# Altium PCB 10515.0462_全联供主板(2拼版)_V1.0.PcbDoc (part 16 of 18)
Units mm, origin at the board's own origin, x right, y up, seen from the top; angles counter-clockwise.
Board outline 282 x 198 mm, 2 copper layers (Top Layer, Bottom Layer); 716 components, 0 nets, 2364 pads, 1800 vias.
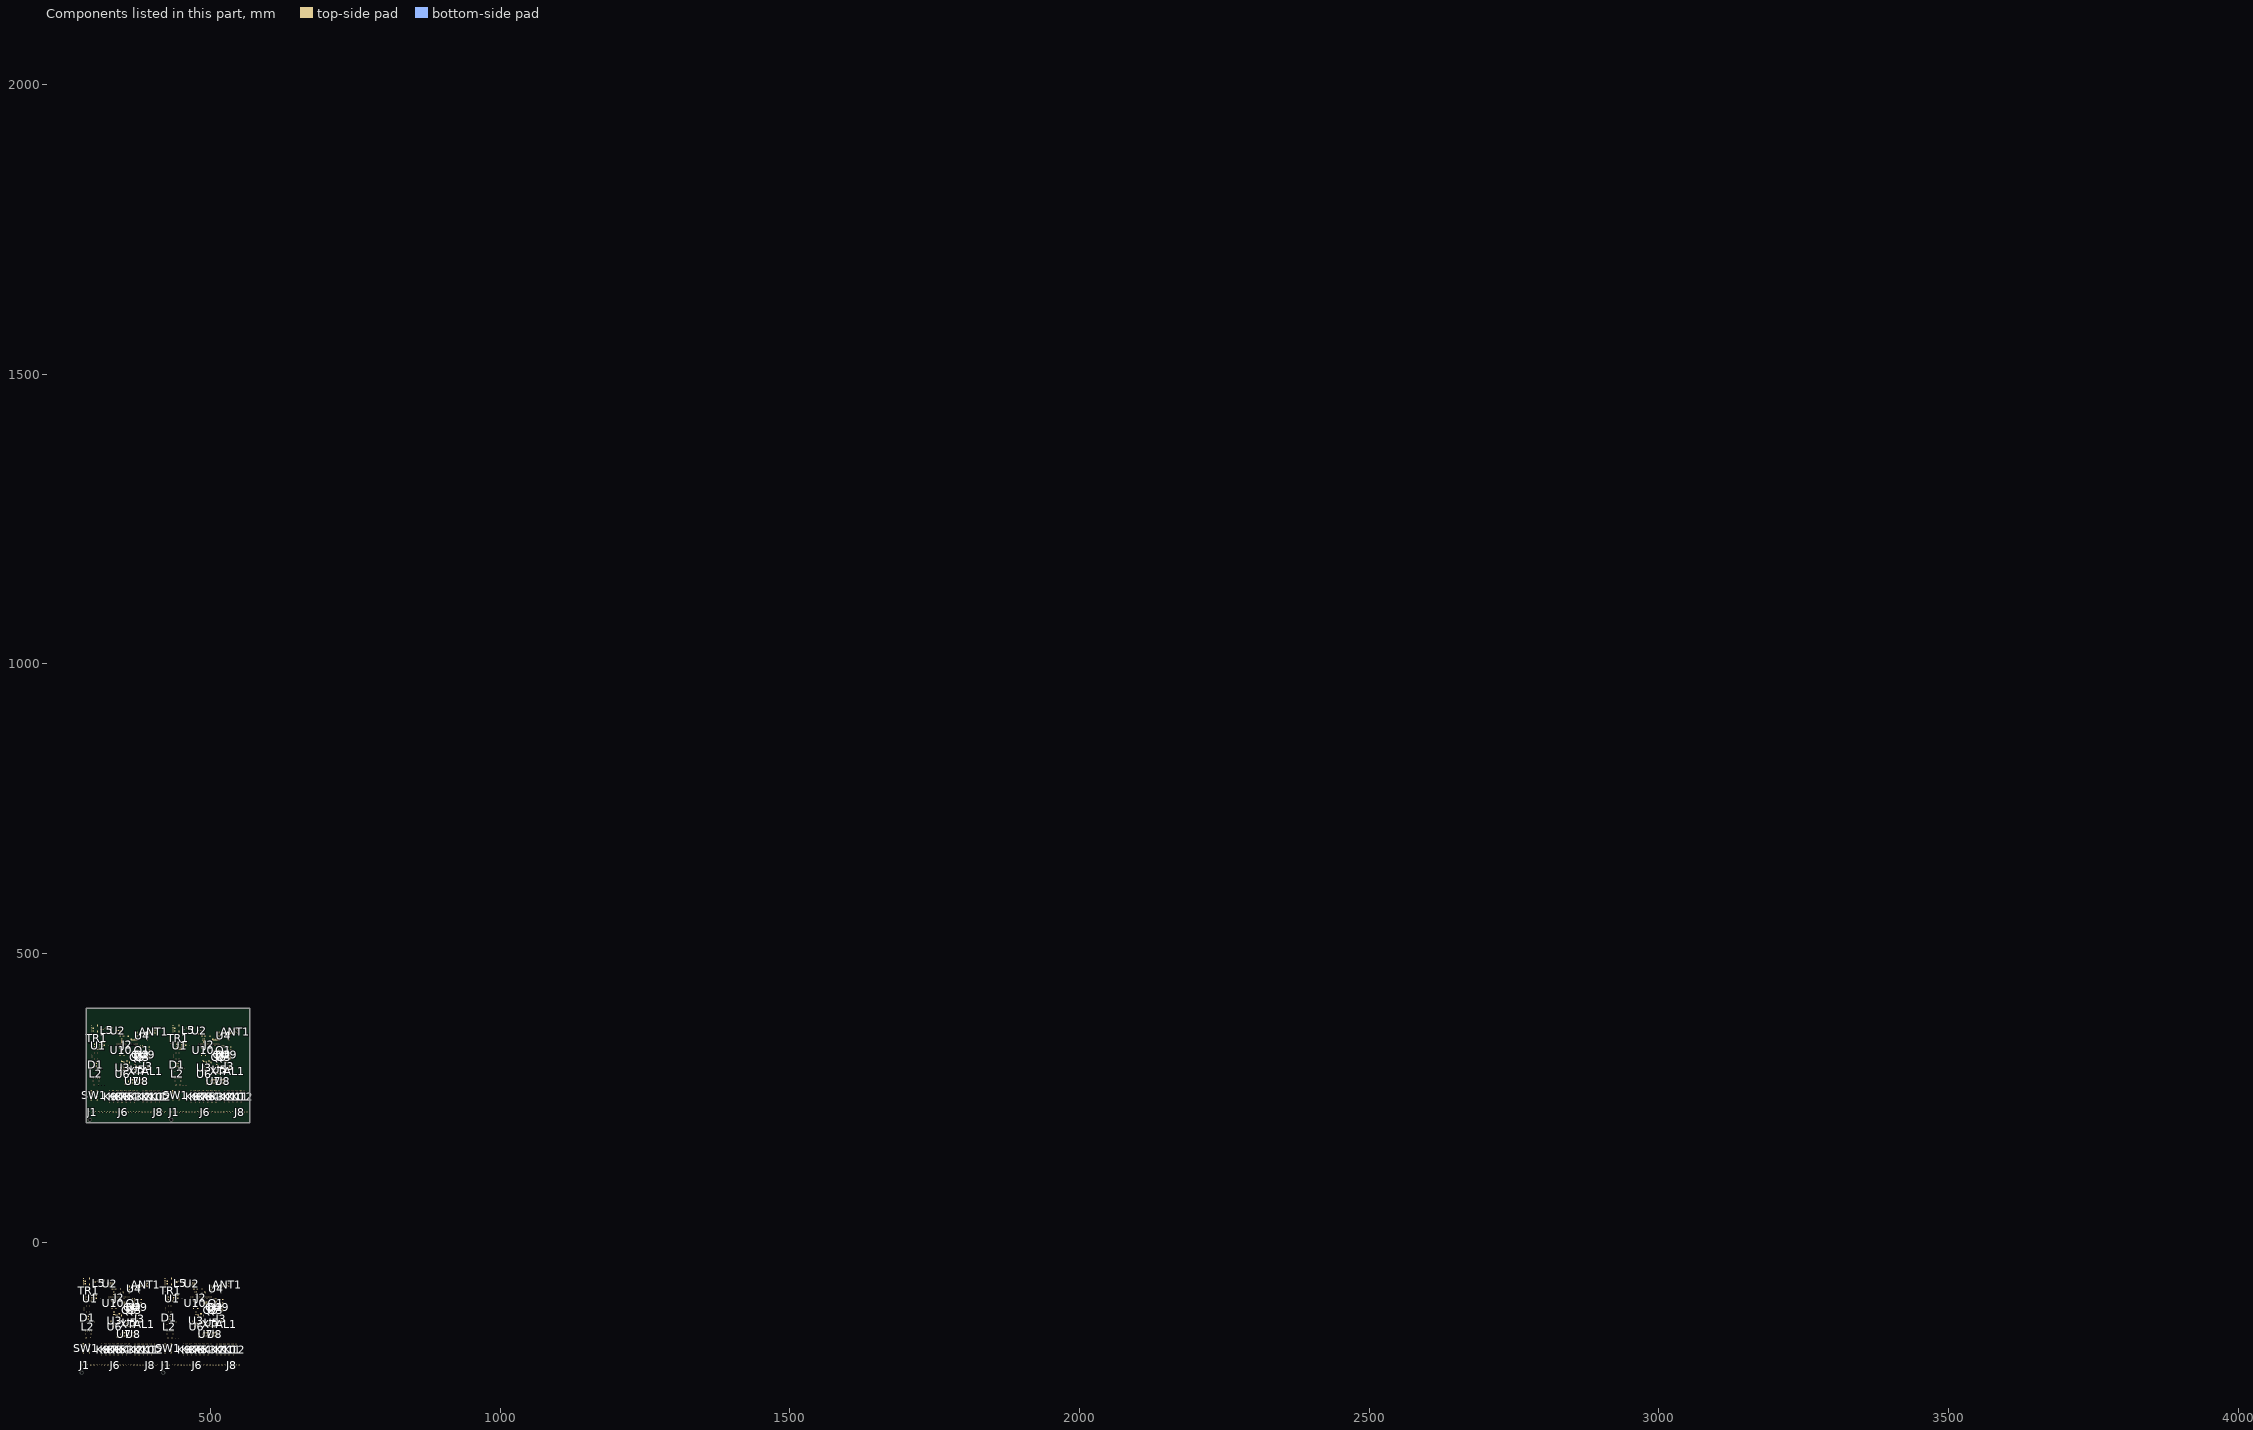
[diagram p16: the components of this part, seen from the top]

## Via types
v1: diameter 0.7, hole 0.4, Top Layer to Bottom Layer, tented both sides, 1800 vias

## Nets (pads, with @x,y where several pads share a name; then routed paths per layer and width w, separated by ;. In a path a pad name is that pad's centre, name@x,y a point inside that pad or via, vN(x,y) a via of type N, cw(c..) or ccw(c..) an arc to the next point about the centre after c; other vN are vias at no path point) (continued)
copper on no net: (continued)
  Bottom Layer w1.5: 278.999,-192.685 287.081,-200.767 287.081,-210.984 ; 278.999,-188.24 280.142,-189.383 280.142,-195.606 287.081,-202.545 ; 278.999,-187.478 278.237,-188.24 ; 280.015,-186.675 279.802,-186.675 278.237,-188.24 ; 280.142,-192.431 280.269,-192.431 287.889,-200.051 287.889,-210.592 287.497,-210.984 287.081,-210.984 ; 281.192,-115.353 283.317,-115.353 ; 281.192,-112.353 282.809,-112.353 ; v1(283.318,-126.457) 289.952,-126.487 ; 284.714,-93.244 283.605,-92.135 283.605,-89.826 285.677,-91.898 285.677,-103.531 285.677,-108.622 ; 284.714,-90.936 284.714,-107.087 285.677,-108.05 285.677,-108.622 ; 284.887,-116.924 cw(c283.101,-118.709) 285.627,-118.709 ; 285.094,-117.13 cw(c283.766,-118.457) 285.627,-118.703 ; 285.123,-110.04 ccw(c283.905,-108.822) 285.627,-108.822 ; 285.328,-107.701 cw(c284.607,-108.422) 285.627,-108.422 ; 285.677,-118.909 285.677,-116.409 284.621,-115.353 283.317,-115.353 ; 285.677,-117.628 285.592,-117.628 283.317,-115.353 ; 286.391,-200.077 286.391,-210.295 287.081,-210.984 ; 288.524,-126.487 288.524,-126.385 290.677,-124.232 ; 290.134,-176.175 291.912,-177.953 ; 290.175,-174.524 294.239,-174.524 295.382,-175.667 ; 290.261,-176.175 291.277,-177.191 ; 290.261,-175.921 294.747,-175.921 ; 290.302,-179.096 295.89,-179.096 ; 290.515,-177.191 293.985,-177.191 ; 290.642,-108.858 cw(c288.395,-111.104) 291.572,-111.104 ; 290.642,-108.387 ccw(c288.514,-106.26) 291.523,-106.26 ; 290.671,-108.373 ccw(c290.563,-107.419) 291.523,-107.419 ; 290.677,-119.66 291.826,-120.809 291.826,-124.613 289.952,-126.487 ; 290.727,-119.109 ccw(c292.177,-119.109) 291.152,-120.135 ; 290.727,-108.429 cw(c291.881,-108.583) 291.881,-107.419 291.523,-107.419 ; 290.82,-96.945 291.523,-96.243 ; 291.277,-177.953 303.383,-177.953 ; 291.572,-116.606 291.572,-109.518 292.334,-110.28 292.334,-117.252 290.677,-118.909 ; 292.605,-93.399 v1(289.059,-96.945) ; 292.605,-92.084 289.059,-95.63 v1(289.059,-96.945) ; 292.605,-89.826 292.605,-95.16 ; 292.628,243.91 300.71,235.829 300.71,225.611 ; 292.628,248.355 293.771,247.212 293.771,240.989 300.71,234.051 ; 292.628,249.117 291.866,248.355 ; 293.644,249.92 293.431,249.92 291.866,248.355 ; 293.705,-207.41 293.705,-210.24 292.961,-210.984 ; 293.771,244.164 293.898,244.164 301.518,236.544 301.518,226.003 301.125,225.611 300.71,225.611 ; 294.239,-175.921 295.382,-177.064 ; 294.477,-206.638 294.477,-204.86 ; 294.821,321.242 296.946,321.242 ; 294.821,324.242 296.438,324.242 ; 296.525,-204.59 292.961,-208.154 ; v1(296.947,310.139) 303.58,310.108 ; 297.961,-210.984 297.961,-208.394 311.671,-194.684 311.671,-193.252 ; 298.343,343.351 297.234,344.461 297.234,346.769 299.306,344.697 299.306,333.064 299.306,327.973 ; 298.343,345.66 298.343,329.508 299.306,328.546 299.306,327.973 ; 298.516,319.672 cw(c296.73,317.886) 299.256,317.886 ; 298.722,319.465 cw(c297.395,318.138) 299.256,317.893 ; 298.752,326.556 ccw(c297.534,327.773) 299.256,327.773 ; 298.957,328.894 cw(c298.236,328.173) 299.256,328.173 ; 299.306,317.686 299.306,320.186 298.25,321.242 296.946,321.242 ; 299.306,318.967 299.22,318.967 296.946,321.242 ; 300.02,236.518 300.02,226.301 300.71,225.611 ; 300.843,-79.528 302.05,-80.734 v1@303.129,-81.814 ; 300.843,-65.558 300.843,-80.925 ; 301.652,-197.685 301.652,-187.177 302.558,-186.271 ; 302.153,310.108 302.153,310.211 304.306,312.363 ; 302.211,-81.208 ccw(c303.675,-79.744) v1@303.675,-81.814 ; 302.338,-81.912 cw(c302.575,-82.149) 302.575,-81.814 ; 302.558,-195.225 303.447,-194.336 ; v1@302.667,-81.814 cw(c302.667,-82.149) v1@302.904,-81.912 ; 302.986,-196.351 302.558,-195.923 302.558,-186.271 ; 303.383,-178.588 303.383,-177.953 ; 303.453,-82.138 ccw(c303.637,-81.953) 303.637,-82.214 302.132,-82.214 300.843,-80.925 ; 303.763,260.42 305.541,258.642 ; 303.804,262.071 307.868,262.071 309.011,260.928 ; 303.89,260.42 304.906,259.404 ; 303.89,260.674 308.376,260.674 ; 303.931,257.499 309.519,257.499 ; v1@304.018,-81.814 301.732,-81.814 300.843,-80.925 ; 304.144,259.404 307.614,259.404 ; 304.27,327.738 cw(c302.024,325.491) 305.201,325.491 ; 304.27,328.208 ccw(c302.143,330.336) 305.152,330.336 ; 304.3,328.223 ccw(c304.191,329.177) 305.152,329.177 ; 304.306,316.935 305.455,315.786 305.455,311.982 303.58,310.108 ; 304.356,317.486 ccw(c305.806,317.486) 304.78,316.461 ; 304.355,328.166 cw(c305.51,328.012) 305.51,329.177 305.152,329.177 ; 304.449,339.65 305.152,340.353 ; 304.526,-179.096 301.605,-179.096 295.382,-179.096 ; 304.906,258.642 317.012,258.642 ; 305.201,319.99 305.201,327.078 305.963,326.316 305.963,319.343 304.306,317.686 ; 305.437,-194.209 305.128,-194.209 ; 305.437,-192.282 292.961,-204.758 ; 306.234,343.196 v1(302.688,339.65) ; 306.234,344.511 302.688,340.966 v1(302.688,339.65) ; 306.234,346.769 306.234,341.435 ; 306.241,-180.81 303.383,-177.953 ; 307.334,229.186 307.334,226.355 306.59,225.611 ; 307.868,260.674 309.011,259.531 ; 307.961,-210.984 307.961,-206.649 318.856,-195.754 318.856,-192.939 ; 308.105,229.957 308.105,231.735 ; 310.154,232.006 306.59,228.441 ; 311.59,225.611 311.59,228.201 325.3,241.911 325.3,243.343 ; 311.638,-185.7 312.4,-184.938 375.381,-184.938 376.568,-186.125 ; 311.671,-186.252 376.745,-186.252 376.789,-186.208 ; 311.777,-186.008 cw(c314.054,-188.285) 314.054,-185.065 ; 312.612,-185.065 cw(c312.612,-185.295) 312.806,-185.17 ; 314.472,357.067 315.678,355.861 v1@316.758,354.781 ; 314.472,371.037 314.472,355.67 ; 315.281,238.911 315.281,249.418 316.186,250.324 ; 315.84,355.388 ccw(c317.303,356.851) v1@317.303,354.781 ; 315.967,354.683 cw(c316.204,354.446) 316.204,354.781 ; 316.186,241.37 317.075,242.259 ; v1@316.296,354.781 cw(c316.296,354.446) v1@316.533,354.683 ; 316.371,-174.752 316.371,-172.331 317.469,-171.233 333.863,-171.233 ; 316.473,-185.065 cw(c316.473,-188.285) 318.75,-186.008 ; 316.614,240.244 316.186,240.672 316.186,250.324 ; 317.012,258.007 317.012,258.642 ; 317.082,354.458 ccw(c317.266,354.642) 317.266,354.381 315.761,354.381 314.472,355.67 ; v1@317.647,354.781 315.361,354.781 314.472,355.67 ; 317.961,-210.984 317.961,-204.65 326.016,-196.595 326.016,-192.939 ; 318.155,257.499 315.234,257.499 309.011,257.499 ; 318.848,-69.089 ccw(c319.303,-68.635) 319.303,-69.278 ; 318.959,-69.278 ccw(c318.959,-68.635) 319.414,-69.089 ; 318.962,-186.008 cw(c321.239,-188.285) 321.239,-185.065 ; 319.066,242.386 318.757,242.386 ; 319.066,244.313 306.59,231.837 ; 319.869,255.785 317.012,258.642 ; 320.176,-68.995 cw(c319.632,-69.539) 320.401,-69.539 ; 320.3,-92.762 320.3,-94.667 320.973,-95.339 ; 320.401,-92.863 320.401,-91.212 ; 320.401,-71.019 318.66,-69.278 320.311,-69.278 320.401,-69.368 320.401,-91.212 ; 320.438,-94.376 324.581,-94.376 ; 320.782,-93.752 323.692,-93.752 ccw(c323.692,-92.733) 324.571,-93.249 ; 321.125,-94.376 cw(c321.125,-99.251) 324.573,-95.804 ; 321.59,225.611 321.59,229.946 332.485,240.842 332.485,243.656 ; 321.847,-94.376 ccw(c321.847,-90.521) 324.573,-93.247 cw(c323.353,-92.028) 323.353,-93.752 ; 322.306,-93.117 320.401,-91.212 ; 323.386,-95.339 320.973,-95.339 ; 323.556,-174.752 323.556,-171.434 ; 323.633,-185.065 cw(c323.633,-188.285) 325.91,-186.008 ; 324.574,-95.786 ccw(c322.733,-93.256) 325.862,-93.256 ccw(c329.024,-93.256) 327.128,-95.786 ; 324.573,-93.265 cw(c322.342,-95.987) 325.862,-95.987 ; 324.581,-93.382 324.581,-95.795 ; 324.581,-93.255 325.862,-93.255 ; 325.267,250.895 326.029,251.657 389.01,251.657 390.197,250.47 ; 325.3,250.343 390.374,250.343 390.418,250.387 ; 325.406,250.587 cw(c327.683,248.311) 327.683,251.53 ; 325.862,-95.977 cw(c329.4,-95.977) 327.129,-93.265 ; 325.862,-95.668 325.862,-93.255 ; 326.122,-186.008 cw(c328.399,-188.285) 328.399,-185.065 ; 326.241,251.53 cw(c326.241,251.3) 326.434,251.425 ; 327.961,-210.984 327.961,-204.937 333.175,-199.723 333.175,-193.066 ; 330,261.843 330,264.264 331.097,265.362 347.492,265.362 ; 330.102,251.53 cw(c330.102,248.311) 332.379,250.587 ; 330.716,-174.752 330.716,-171.24 ; 330.793,-185.065 cw(c330.793,-188.285) 333.069,-186.008 ; 331.59,225.611 331.59,231.945 339.645,240 339.645,243.656 ; 332.466,-171.233 333.863,-169.836 333.863,-169.698 ; 332.477,367.506 ccw(c332.932,367.961) 332.932,367.318 ; 332.588,367.318 ccw(c332.588,367.961) 333.043,367.506 ; 332.591,250.587 cw(c334.868,248.311) 334.868,251.53 ; 333.282,-186.008 cw(c335.558,-188.285) 335.558,-185.065 ; 333.805,367.601 cw(c333.261,367.057) 334.03,367.057 ; 333.863,-170.333 333.863,-159.284 v1@333.99,-159.157 ; 333.929,343.834 333.929,341.929 334.601,341.256 ; 334.03,343.732 334.03,345.383 ; 334.03,365.576 332.289,367.318 333.94,367.318 334.03,367.227 334.03,345.383 ; 334.067,342.22 338.21,342.22 ; 334.411,342.843 337.321,342.843 ccw(c337.321,343.863) 338.199,343.346 ; 334.754,342.22 cw(c334.754,337.344) 338.201,340.792 ; 335.26,-171.233 335.26,-171.095 333.863,-169.698 ; 335.476,342.22 ccw(c335.476,346.074) 338.201,343.349 cw(c336.982,344.568) 336.982,342.843 ; 335.935,343.478 334.03,345.383 ; 337.014,341.256 334.601,341.256 ; 337.185,261.843 337.185,265.162 ; 337.262,251.53 cw(c337.262,248.311) 339.539,250.587 ; 337.875,-174.752 337.875,-171.402 ; 337.952,-185.065 cw(c337.952,-188.285) 340.229,-186.008 ; 337.961,-210.984 337.961,-203.7 340.34,-201.321 340.34,-193.066 ; 338.203,340.81 ccw(c336.362,343.34) 339.491,343.34 ccw(c342.652,343.34) 340.757,340.81 ; 338.202,343.331 cw(c335.971,340.608) 339.491,340.608 ; 338.21,343.213 338.21,340.8 ; 338.21,343.34 339.491,343.34 ; 339.491,340.619 cw(c343.028,340.619) 340.757,343.331 ; 339.491,340.927 339.491,343.34 ; 339.751,250.587 cw(c342.027,248.311) 342.027,251.53 ; 340.335,-193.252 340.34,-193.257 ; 340.441,-186.008 cw(c342.718,-188.285) 342.718,-185.065 ; 341.59,225.611 341.59,231.658 346.804,236.873 346.804,243.529 ; 344.345,261.843 344.345,265.356 ; 344.421,251.53 cw(c344.421,248.311) 346.698,250.587 ; 345.035,-174.752 345.035,-171.271 ; 345.112,-185.065 cw(c345.112,-188.285) 347.389,-186.008 ; 346.095,265.362 347.492,266.759 347.492,266.897 ; 346.91,250.587 cw(c349.187,248.311) 349.187,251.53 ; 347.492,266.262 347.492,277.311 v1@347.619,277.438 ; 347.495,-192.939 347.495,-210.518 347.961,-210.984 ; 347.601,-186.008 cw(c349.878,-188.285) 349.878,-185.065 ; 348.889,265.362 348.889,265.5 347.492,266.897 ; 351.504,261.843 351.504,265.194 ; 351.581,251.53 cw(c351.581,248.311) 353.858,250.587 ; 351.59,225.611 351.59,232.895 353.969,235.274 353.969,243.529 ; 352.195,-174.752 352.195,-171.37 ; 352.214,-185.065 cw(c352.214,-188.285) 354.491,-186.008 ; 353.964,243.343 353.969,243.338 ; 354.07,250.587 cw(c356.347,248.311) 356.347,251.53 ; 354.597,-193.066 354.597,-203.513 357.961,-206.877 357.961,-210.984 ; 354.703,-186.008 cw(c356.98,-188.285) 356.98,-185.065 ; 358.664,261.843 358.664,265.324 ; 358.741,251.53 cw(c358.741,248.311) 361.017,250.587 ; 359.297,-174.752 359.297,-171.487 ; 361.124,243.656 361.124,226.077 361.59,225.611 ; 361.23,250.587 cw(c363.506,248.311) 363.506,251.53 ; 365.823,261.843 365.823,265.225 ; 365.843,251.53 cw(c365.843,248.311) 368.12,250.587 ; 367.38,-185.065 cw(c367.38,-187.851) 369.35,-185.881 ; 367.961,-210.984 367.961,-194.02 369.296,-192.685 ; 367.961,-194.62 369.456,-193.125 ; 368.226,243.529 368.226,233.083 371.59,229.719 371.59,225.611 ; 368.28,-195.352 369.456,-194.176 369.456,-192.812 ; 368.332,250.587 cw(c370.609,248.311) 370.609,251.53 ; 369.562,-185.881 cw(c371.532,-187.851) 371.532,-185.065 ; 372.926,261.843 372.926,265.108 ; 374.156,-174.625 374.156,-171.487 ; 374.492,-185.065 cw(c374.492,-187.851) 376.462,-185.881 ; 375.508,-185.065 cw(c375.508,-185.998) 376.421,-185.806 ; 375.714,-185.271 ccw(c376.568,-184.418) 376.568,-185.625 ; 376.568,-192.812 376.568,-201.989 378.059,-203.48 378.059,-210.886 377.961,-210.984 ; 381.009,251.53 cw(c381.009,248.744) 382.979,250.714 ; 381.268,-174.625 381.268,-171.233 ; 381.59,225.611 381.59,242.575 382.925,243.91 ; 381.59,241.975 383.085,243.47 ; 381.909,241.243 383.085,242.419 383.085,243.783 ; 383.191,250.714 cw(c385.161,248.744) 385.161,251.53 ; 387.785,261.97 387.785,265.108 ; 388.121,251.53 cw(c388.121,248.744) 390.091,250.714 ; 388.387,-174.625 388.387,-171.24 ; 389.137,251.53 cw(c389.137,250.597) 390.05,250.79 ; 389.343,251.324 ccw(c390.197,252.178) 390.197,250.97 ; 390.197,243.783 390.197,234.607 391.688,233.115 391.688,225.709 391.59,225.611 ; 394.897,261.97 394.897,265.362 ; 395.499,-174.625 395.499,-171.494 395.238,-171.233 ; 402.016,261.97 402.016,265.355 ; 402.738,-174.625 402.738,-172.129 401.842,-171.233 395.238,-171.233 ; 409.128,261.97 409.128,265.101 408.867,265.362 ; 416.367,261.97 416.367,264.466 415.471,265.362 408.867,265.362 ; 419.999,-192.685 428.081,-200.767 428.081,-210.984 ; 419.999,-188.24 421.142,-189.383 421.142,-195.606 428.081,-202.545 ; 419.999,-187.478 419.237,-188.24 ; 421.015,-186.675 420.802,-186.675 419.237,-188.24 ; 421.142,-192.431 421.269,-192.431 428.889,-200.051 428.889,-210.592 428.497,-210.984 428.081,-210.984 ; 422.192,-115.353 424.317,-115.353 ; 422.192,-112.353 423.809,-112.353 ; v1(424.318,-126.457) 430.952,-126.487 ; 425.714,-93.244 424.605,-92.135 424.605,-89.826 426.677,-91.898 426.677,-103.531 426.677,-108.622 ; 425.714,-90.936 425.714,-107.087 426.677,-108.05 426.677,-108.622 ; 425.887,-116.924 cw(c424.101,-118.709) 426.627,-118.709 ; 426.094,-117.13 cw(c424.766,-118.457) 426.627,-118.703 ; 426.123,-110.04 ccw(c424.905,-108.822) 426.627,-108.822 ; 426.328,-107.701 cw(c425.607,-108.422) 426.627,-108.422 ; 426.677,-118.909 426.677,-116.409 425.621,-115.353 424.317,-115.353 ; 426.677,-117.628 426.592,-117.628 424.317,-115.353 ; 427.391,-200.077 427.391,-210.295 428.081,-210.984 ; 429.524,-126.487 429.524,-126.385 431.677,-124.232 ; 431.134,-176.175 432.912,-177.953 ; 431.175,-174.524 435.239,-174.524 436.382,-175.667 ; 431.261,-176.175 432.277,-177.191 ; 431.261,-175.921 435.747,-175.921 ; 431.302,-179.096 436.89,-179.096 ; 431.515,-177.191 434.985,-177.191 ; 431.642,-108.858 cw(c429.395,-111.104) 432.572,-111.104 ; 431.642,-108.387 ccw(c429.514,-106.26) 432.523,-106.26 ; 431.671,-108.373 ccw(c431.563,-107.419) 432.523,-107.419 ; 431.677,-119.66 432.826,-120.809 432.826,-124.613 430.952,-126.487 ; 431.727,-108.429 cw(c432.881,-108.583) 432.881,-107.419 432.523,-107.419 ; 431.727,-119.109 ccw(c433.177,-119.109) 432.152,-120.135 ; 431.82,-96.945 432.523,-96.243 ; 432.277,-177.953 444.383,-177.953 ; 432.572,-116.606 432.572,-109.518 433.334,-110.28 433.334,-117.252 431.677,-118.909 ; 433.605,-93.399 v1(430.059,-96.945) ; 433.605,-92.084 430.059,-95.63 v1(430.059,-96.945) ; 433.605,-89.826 433.605,-95.16 ; 433.628,243.91 441.71,235.829 441.71,225.611 ; 433.628,248.355 434.771,247.212 434.771,240.989 441.71,234.051 ; 433.628,249.117 432.866,248.355 ; 434.644,249.92 434.431,249.92 432.866,248.355 ; 434.705,-207.41 434.705,-210.24 433.961,-210.984 ; 434.771,244.164 434.898,244.164 442.518,236.544 442.518,226.003 442.125,225.611 441.71,225.611 ; 435.239,-175.921 436.382,-177.064 ; 435.477,-206.638 435.477,-204.86 ; 435.821,321.242 437.946,321.242 ; 435.821,324.242 437.438,324.242 ; 437.525,-204.59 433.961,-208.154 ; v1(437.947,310.139) 444.58,310.108 ; 438.961,-210.984 438.961,-208.394 452.671,-194.684 452.671,-193.252 ; 439.343,343.351 438.234,344.461 438.234,346.769 440.306,344.697 440.306,333.064 440.306,327.973 ; 439.343,345.66 439.343,329.508 440.306,328.546 440.306,327.973 ; 439.516,319.672 cw(c437.73,317.886) 440.256,317.886 ; 439.722,319.465 cw(c438.395,318.138) 440.256,317.893 ; 439.752,326.556 ccw(c438.534,327.773) 440.256,327.773 ; 439.957,328.894 cw(c439.236,328.173) 440.256,328.173 ; 440.306,317.686 440.306,320.186 439.25,321.242 437.946,321.242 ; 440.306,318.967 440.22,318.967 437.946,321.242 ; 441.02,236.518 441.02,226.301 441.71,225.611 ; 441.843,-79.528 443.05,-80.734 v1@444.129,-81.814 ; 441.843,-65.558 441.843,-80.925 ; 442.652,-197.685 442.652,-187.177 443.558,-186.271 ; 443.153,310.108 443.153,310.211 445.306,312.363 ; 443.211,-81.208 ccw(c444.675,-79.744) v1@444.675,-81.814 ; 443.338,-81.912 cw(c443.575,-82.149) 443.575,-81.814 ; 443.558,-195.225 444.447,-194.336 ; v1@443.667,-81.814 cw(c443.667,-82.149) v1@443.904,-81.912 ; 443.986,-196.351 443.558,-195.923 443.558,-186.271 ; 444.383,-178.588 444.383,-177.953 ; 444.453,-82.138 ccw(c444.637,-81.953) 444.637,-82.214 443.132,-82.214 441.843,-80.925 ; 444.763,260.42 446.541,258.642 ; 444.804,262.071 448.868,262.071 450.011,260.928 ; 444.89,260.42 445.906,259.404 ; 444.89,260.674 449.376,260.674 ; 444.931,257.499 450.519,257.499 ; v1@445.018,-81.814 442.732,-81.814 441.843,-80.925 ; 445.144,259.404 448.614,259.404 ; 445.27,327.738 cw(c443.024,325.491) 446.201,325.491 ; 445.27,328.208 ccw(c443.143,330.336) 446.152,330.336 ; 445.3,328.223 ccw(c445.191,329.177) 446.152,329.177 ; 445.306,316.935 446.455,315.786 446.455,311.982 444.58,310.108 ; 445.355,328.166 cw(c446.51,328.012) 446.51,329.177 446.152,329.177 ; 445.356,317.486 ccw(c446.806,317.486) 445.78,316.461 ; 445.449,339.65 446.152,340.353 ; 445.526,-179.096 442.605,-179.096 436.382,-179.096 ; 445.906,258.642 458.012,258.642 ; 446.201,319.99 446.201,327.078 446.963,326.316 446.963,319.343 445.306,317.686 ; 446.437,-194.209 446.128,-194.209 ; 446.437,-192.282 433.961,-204.758 ; 447.234,343.196 v1(443.688,339.65) ; 447.234,344.511 443.688,340.966 v1(443.688,339.65) ; 447.234,346.769 447.234,341.435 ; 447.241,-180.81 444.383,-177.953 ; 448.334,229.186 448.334,226.355 447.59,225.611 ; 448.868,260.674 450.011,259.531 ; 448.961,-210.984 448.961,-206.649 459.856,-195.754 459.856,-192.939 ; 449.105,229.957 449.105,231.735 ; 451.154,232.006 447.59,228.441 ; 452.59,225.611 452.59,228.201 466.3,241.911 466.3,243.343 ; 452.638,-185.7 453.4,-184.938 516.381,-184.938 517.568,-186.125 ; 452.671,-186.252 517.745,-186.252 517.789,-186.208 ; 452.777,-186.008 cw(c455.054,-188.285) 455.054,-185.065 ; 453.612,-185.065 cw(c453.612,-185.295) 453.806,-185.17 ; 455.472,357.067 456.678,355.861 v1@457.758,354.781 ; 455.472,371.037 455.472,355.67 ; 456.281,238.911 456.281,249.418 457.186,250.324 ; 456.84,355.388 ccw(c458.303,356.851) v1@458.303,354.781 ; 456.967,354.683 cw(c457.204,354.446) 457.204,354.781 ; 457.186,241.37 458.075,242.259 ; v1@457.296,354.781 cw(c457.296,354.446) v1@457.533,354.683 ; 457.371,-174.752 457.371,-172.331 458.469,-171.233 474.863,-171.233 ; 457.473,-185.065 cw(c457.473,-188.285) 459.75,-186.008 ; 457.614,240.244 457.186,240.672 457.186,250.324 ; 458.012,258.007 458.012,258.642 ; 458.082,354.458 ccw(c458.266,354.642) 458.266,354.381 456.761,354.381 455.472,355.67 ; v1@458.647,354.781 456.361,354.781 455.472,355.67 ; 458.961,-210.984 458.961,-204.65 467.016,-196.595 467.016,-192.939 ; 459.155,257.499 456.234,257.499 450.011,257.499 ; 459.848,-69.089 ccw(c460.303,-68.635) 460.303,-69.278 ; 459.959,-69.278 ccw(c459.959,-68.635) 460.414,-69.089 ; 459.962,-186.008 cw(c462.239,-188.285) 462.239,-185.065 ; 460.066,242.386 459.757,242.386 ; 460.066,244.313 447.59,231.837 ; 460.869,255.785 458.012,258.642 ; 461.176,-68.995 cw(c460.632,-69.539) 461.401,-69.539 ; 461.3,-92.762 461.3,-94.667 461.973,-95.339 ; 461.401,-92.863 461.401,-91.212 ; 461.401,-71.019 459.66,-69.278 461.311,-69.278 461.401,-69.368 461.401,-91.212 ; 461.438,-94.376 465.581,-94.376 ; 461.782,-93.752 464.692,-93.752 ccw(c464.692,-92.733) 465.571,-93.249 ; 462.125,-94.376 cw(c462.125,-99.251) 465.573,-95.804 ; 462.59,225.611 462.59,229.946 473.485,240.842 473.485,243.656 ; 462.847,-94.376 ccw(c462.847,-90.521) 465.573,-93.247 cw(c464.353,-92.028) 464.353,-93.752 ; 463.306,-93.117 461.401,-91.212 ; 464.386,-95.339 461.973,-95.339 ; 464.556,-174.752 464.556,-171.434 ; 464.633,-185.065 cw(c464.633,-188.285) 466.91,-186.008 ; 465.573,-93.265 cw(c463.342,-95.987) 466.862,-95.987 ; 465.574,-95.786 ccw(c463.733,-93.256) 466.862,-93.256 ccw(c470.024,-93.256) 468.128,-95.786 ; 465.581,-93.382 465.581,-95.795 ; 465.581,-93.255 466.862,-93.255 ; 466.267,250.895 467.029,251.657 530.01,251.657 531.197,250.47 ; 466.3,250.343 531.374,250.343 531.418,250.387 ; 466.406,250.587 cw(c468.683,248.311) 468.683,251.53 ; 466.862,-95.977 cw(c470.4,-95.977) 468.129,-93.265 ; 466.862,-95.668 466.862,-93.255 ; 467.122,-186.008 cw(c469.399,-188.285) 469.399,-185.065 ; 467.241,251.53 cw(c467.241,251.3) 467.434,251.425 ; 468.961,-210.984 468.961,-204.937 474.175,-199.723 474.175,-193.066 ; 471,261.843 471,264.264 472.097,265.362 488.492,265.362 ; 471.102,251.53 cw(c471.102,248.311) 473.379,250.587 ; 471.716,-174.752 471.716,-171.24 ; 471.793,-185.065 cw(c471.793,-188.285) 474.069,-186.008 ; 472.59,225.611 472.59,231.945 480.645,240 480.645,243.656 ; 473.466,-171.233 474.863,-169.836 474.863,-169.698 ; 473.477,367.506 ccw(c473.932,367.961) 473.932,367.318 ; 473.588,367.318 ccw(c473.588,367.961) 474.043,367.506 ; 473.591,250.587 cw(c475.868,248.311) 475.868,251.53 ; 474.282,-186.008 cw(c476.558,-188.285) 476.558,-185.065 ; 474.805,367.601 cw(c474.261,367.057) 475.03,367.057 ; 474.863,-170.333 474.863,-159.284 v1@474.99,-159.157 ; 474.929,343.834 474.929,341.929 475.601,341.256 ; 475.03,343.732 475.03,345.383 ; 475.03,365.576 473.289,367.318 474.94,367.318 475.03,367.227 475.03,345.383 ; 475.067,342.22 479.21,342.22 ; 475.411,342.843 478.321,342.843 ccw(c478.321,343.863) 479.199,343.346 ; 475.754,342.22 cw(c475.754,337.344) 479.201,340.792 ; 476.26,-171.233 476.26,-171.095 474.863,-169.698 ; 476.476,342.22 ccw(c476.476,346.074) 479.201,343.349 cw(c477.982,344.568) 477.982,342.843 ; 476.935,343.478 475.03,345.383 ; 478.014,341.256 475.601,341.256 ; 478.185,261.843 478.185,265.162 ; 478.262,251.53 cw(c478.262,248.311) 480.539,250.587 ; 478.875,-174.752 478.875,-171.402 ; 478.952,-185.065 cw(c478.952,-188.285) 481.229,-186.008 ; 478.961,-210.984 478.961,-203.7 481.34,-201.321 481.34,-193.066 ; 479.203,340.81 ccw(c477.362,343.34) 480.491,343.34 ccw(c483.652,343.34) 481.757,340.81 ; 479.202,343.331 cw(c476.971,340.608) 480.491,340.608 ; 479.21,343.213 479.21,340.8 ; 479.21,343.34 480.491,343.34 ; 480.491,340.619 cw(c484.028,340.619) 481.757,343.331 ; 480.491,340.927 480.491,343.34 ; 480.751,250.587 cw(c483.027,248.311) 483.027,251.53 ; 481.335,-193.252 481.34,-193.257 ; 481.441,-186.008 cw(c483.718,-188.285) 483.718,-185.065 ; 482.59,225.611 482.59,231.658 487.804,236.873 487.804,243.529 ; 485.345,261.843 485.345,265.356 ; 485.421,251.53 cw(c485.421,248.311) 487.698,250.587 ; 486.035,-174.752 486.035,-171.271 ; 486.112,-185.065 cw(c486.112,-188.285) 488.389,-186.008 ; 487.095,265.362 488.492,266.759 488.492,266.897 ; 487.91,250.587 cw(c490.187,248.311) 490.187,251.53 ; 488.492,266.262 488.492,277.311 v1@488.619,277.438 ; 488.495,-192.939 488.495,-210.518 488.961,-210.984 ; 488.601,-186.008 cw(c490.878,-188.285) 490.878,-185.065 ; 489.889,265.362 489.889,265.5 488.492,266.897 ; 492.504,261.843 492.504,265.194 ; 492.581,251.53 cw(c492.581,248.311) 494.858,250.587 ; 492.59,225.611 492.59,232.895 494.969,235.274 494.969,243.529 ; 493.195,-174.752 493.195,-171.37 ; 493.214,-185.065 cw(c493.214,-188.285) 495.491,-186.008 ; 494.964,243.343 494.969,243.338 ; 495.07,250.587 cw(c497.347,248.311) 497.347,251.53 ; 495.597,-193.066 495.597,-203.513 498.961,-206.877 498.961,-210.984 ; 495.703,-186.008 cw(c497.98,-188.285) 497.98,-185.065 ; 499.664,261.843 499.664,265.324 ; 499.741,251.53 cw(c499.741,248.311) 502.017,250.587 ; 500.297,-174.752 500.297,-171.487 ; 502.124,243.656 502.124,226.077 502.59,225.611 ; 502.23,250.587 cw(c504.506,248.311) 504.506,251.53 ; 506.824,261.843 506.824,265.225 ; 506.843,251.53 cw(c506.843,248.311) 509.12,250.587 ; 508.38,-185.065 cw(c508.38,-187.851) 510.35,-185.881 ; 508.961,-210.984 508.961,-194.02 510.296,-192.685 ; 508.961,-194.62 510.456,-193.125 ; 509.226,243.529 509.226,233.083 512.59,229.719 512.59,225.611 ; 509.28,-195.352 510.456,-194.176 510.456,-192.812 ; 509.332,250.587 cw(c511.609,248.311) 511.609,251.53 ; 510.562,-185.881 cw(c512.532,-187.851) 512.532,-185.065 ; 513.926,261.843 513.926,265.108 ; 515.156,-174.625 515.156,-171.487 ; 515.492,-185.065 cw(c515.492,-187.851) 517.462,-185.881 ; 516.508,-185.065 cw(c516.508,-185.998) 517.421,-185.806 ; 516.714,-185.271 ccw(c517.568,-184.418) 517.568,-185.625 ; 517.568,-192.812 517.568,-201.989 519.059,-203.48 519.059,-210.886 518.961,-210.984 ; 522.009,251.53 cw(c522.009,248.744) 523.979,250.714 ; 522.268,-174.625 522.268,-171.233 ; 522.59,225.611 522.59,242.575 523.925,243.91 ; 522.59,241.975 524.085,243.47 ; 522.909,241.243 524.085,242.419 524.085,243.783 ; 524.191,250.714 cw(c526.161,248.744) 526.161,251.53 ; 528.785,261.97 528.785,265.108 ; 529.121,251.53 cw(c529.121,248.744) 531.091,250.714 ; 529.387,-174.625 529.387,-171.24 ; 530.137,251.53 cw(c530.137,250.597) 531.05,250.79 ; 530.343,251.324 ccw(c531.197,252.178) 531.197,250.97 ; 531.197,243.783 531.197,234.607 532.688,233.115 532.688,225.709 532.59,225.611 ; 535.897,261.97 535.897,265.362 ; 536.499,-174.625 536.499,-171.494 536.238,-171.233 ; 543.016,261.97 543.016,265.355 ; 543.738,-174.625 543.738,-172.129 542.842,-171.233 536.238,-171.233 ; 550.128,261.97 550.128,265.101 549.867,265.362 ; 557.367,261.97 557.367,264.466 556.471,265.362 549.867,265.362 ; 278.237,-188.24 278.237,-195.352 278.999,-196.114 ; 278.237,-188.24 278.237,-187.437 278.999,-186.675 278.999,-196.114 ; 278.999,-196.114 287.081,-204.196 287.081,-210.984 ; 282.809,-112.353 285.677,-109.486 285.677,-108.622 ; 282.809,-112.353 284.446,-112.353 285.677,-111.122 285.677,-108.622 ; v1(289.059,-96.945) 290.677,-98.563 290.677,-108.622 ; v1(289.059,-96.945) 290.677,-96.945 290.677,-108.622 ; 289.952,-126.487 290.677,-125.762 290.677,-124.232 ; 290.677,-124.232 290.677,-118.909 ; 290.677,-118.909 290.677,-108.622 ; 290.677,-108.622 292.605,-106.694 292.605,-95.16 ; 291.523,-107.419 291.523,-96.243 ; 291.523,-96.243 292.605,-95.16 ; 291.866,248.355 291.866,241.243 292.628,240.481 ; 291.866,248.355 291.866,249.158 292.628,249.92 292.628,240.481 ; 292.628,240.481 300.71,232.4 300.71,225.611 ; 292.961,-210.984 292.961,-206.376 ; 292.961,-210.984 292.961,-208.154 ; 292.961,-208.154 305.437,-195.678 306.304,-194.811 306.304,-184.049 ; 292.961,-206.376 292.961,-204.758 ; 292.961,-206.376 294.477,-204.86 ; 292.961,-204.758 292.961,-203.361 301.986,-194.336 303.447,-194.336 ; 293.985,-177.191 302.621,-177.191 303.383,-177.953 ; 293.985,-177.191 295.382,-178.588 295.382,-179.096 ; 294.477,-204.86 305.128,-194.209 ; 295.382,-179.096 295.382,-177.064 ; 295.382,-177.064 295.382,-175.667 ; 295.382,-175.667 296.525,-176.81 303.637,-176.81 ; 296.438,324.242 299.306,327.11 299.306,327.973 ; 296.438,324.242 298.075,324.242 299.306,325.473 299.306,327.973 ; 302.558,-186.271 303.447,-185.382 ; v1(302.688,339.65) 304.306,338.032 304.306,327.973 ; v1(302.688,339.65) 304.306,339.65 304.306,327.973 ; 303.447,-194.336 303.447,-185.382 ; 303.447,-194.336 304.018,-193.764 304.018,-184.811 ; 303.447,-185.382 304.018,-184.811 ; 303.58,310.108 304.306,310.833 304.306,312.363 ; 303.637,-176.81 306.304,-179.477 306.304,-184.049 ; 303.637,-176.81 305.034,-176.81 ; 304.018,-184.811 305.034,-183.795 ; 304.306,312.363 304.306,317.686 ; 304.306,317.686 304.306,327.973 ; 304.306,327.973 306.234,329.901 306.234,341.435 ; 305.034,-183.795 306.304,-182.525 306.453,-182.376 306.453,-178.229 ; 305.034,-183.795 305.034,-194.115 305.128,-194.209 ; 305.034,-176.81 306.453,-178.229 ; 305.034,-176.81 306.812,-176.81 308.336,-178.334 308.336,-182.017 306.304,-184.049 ; 305.152,329.177 305.152,340.353 ; 305.152,340.353 306.234,341.435 ; 306.304,-184.049 306.304,-182.906 307.574,-181.636 307.574,-179.35 306.453,-178.229 ; 306.59,225.611 306.59,230.219 ; 306.59,225.611 306.59,228.441 ; 306.59,228.441 319.066,240.918 319.933,241.785 319.933,252.546 ; 306.59,230.219 306.59,231.837 ; 306.59,230.219 308.105,231.735 ; 306.59,231.837 306.59,233.234 315.615,242.259 317.075,242.259 ; 307.614,259.404 316.25,259.404 317.012,258.642 ; 307.614,259.404 309.011,258.007 309.011,257.499 ; 308.105,231.735 318.757,242.386 ; 309.011,257.499 309.011,259.531 ; 309.011,259.531 309.011,260.928 ; 309.011,260.928 310.154,259.785 317.266,259.785 ; 316.186,250.324 317.075,251.213 ; 317.075,242.259 317.075,251.213 ; 317.075,242.259 317.647,242.831 317.647,251.784 ; 317.075,251.213 317.647,251.784 ; 317.266,259.785 319.933,257.118 319.933,252.546 ; 317.266,259.785 318.663,259.785 ; 317.647,251.784 318.663,252.8 ; 318.663,252.8 319.933,254.07 320.082,254.219 320.082,258.366 ; 318.663,252.8 318.663,242.48 318.757,242.386 ; 318.663,259.785 320.082,258.366 ; 318.663,259.785 320.441,259.785 321.965,258.261 321.965,254.578 319.933,252.546 ; 319.933,252.546 319.933,253.689 321.203,254.959 321.203,257.245 320.082,258.366 ; 320.973,-95.339 321.429,-95.795 324.581,-95.795 ; 324.573,-95.804 ccw(c323.451,-96.925) 323.451,-95.339 cw(c323.451,-96.925) 324.573,-95.804 ; 324.581,-95.795 327.121,-95.795 327.121,-93.255 325.862,-93.255 ; 333.863,-171.233 333.863,-169.698 ; 333.863,-171.233 381.268,-171.233 ; 334.601,341.256 335.057,340.8 338.21,340.8 ; 338.201,340.792 ccw(c337.08,339.67) 337.08,341.256 cw(c337.08,339.67) 338.201,340.792 ; 338.21,340.8 340.75,340.8 340.75,343.34 339.491,343.34 ; 347.492,265.362 347.492,266.897 ; 347.492,265.362 394.897,265.362 ; 381.268,-171.233 395.238,-171.233 ; 394.897,265.362 408.867,265.362 ; 419.237,-188.24 419.237,-195.352 419.999,-196.114 ; 419.237,-188.24 419.237,-187.437 419.999,-186.675 419.999,-196.114 ; 419.999,-196.114 428.081,-204.196 428.081,-210.984 ; 423.809,-112.353 426.677,-109.486 426.677,-108.622 ; 423.809,-112.353 425.446,-112.353 426.677,-111.122 426.677,-108.622 ; v1(430.059,-96.945) 431.677,-98.563 431.677,-108.622 ; v1(430.059,-96.945) 431.677,-96.945 431.677,-108.622 ; 430.952,-126.487 431.677,-125.762 431.677,-124.232 ; 431.677,-124.232 431.677,-118.909 ; 431.677,-118.909 431.677,-108.622 ; 431.677,-108.622 433.605,-106.694 433.605,-95.16 ; 432.523,-107.419 432.523,-96.243 ; 432.523,-96.243 433.605,-95.16 ; 432.866,248.355 432.866,241.243 433.628,240.481 ; 432.866,248.355 432.866,249.158 433.628,249.92 433.628,240.481 ; 433.628,240.481 441.71,232.4 441.71,225.611 ; 433.961,-210.984 433.961,-206.376 ; 433.961,-210.984 433.961,-208.154 ; 433.961,-208.154 446.437,-195.678 447.304,-194.811 447.304,-184.049 ; 433.961,-206.376 433.961,-204.758 ; 433.961,-206.376 435.477,-204.86 ; 433.961,-204.758 433.961,-203.361 442.986,-194.336 444.447,-194.336 ; 434.985,-177.191 443.621,-177.191 444.383,-177.953 ; 434.985,-177.191 436.382,-178.588 436.382,-179.096 ; 435.477,-204.86 446.128,-194.209 ; 436.382,-179.096 436.382,-177.064 ; 436.382,-177.064 436.382,-175.667 ; 436.382,-175.667 437.525,-176.81 444.637,-176.81 ; 437.438,324.242 440.306,327.11 440.306,327.973 ; 437.438,324.242 439.075,324.242 440.306,325.473 440.306,327.973 ; 443.558,-186.271 444.447,-185.382 ; v1(443.688,339.65) 445.306,338.032 445.306,327.973 ; v1(443.688,339.65) 445.306,339.65 445.306,327.973 ; 444.447,-194.336 444.447,-185.382 ; 444.447,-194.336 445.018,-193.764 445.018,-184.811 ; 444.447,-185.382 445.018,-184.811 ; 444.58,310.108 445.306,310.833 445.306,312.363 ; 444.637,-176.81 447.304,-179.477 447.304,-184.049 ; 444.637,-176.81 446.034,-176.81 ; 445.018,-184.811 446.034,-183.795 ; 445.306,312.363 445.306,317.686 ; 445.306,317.686 445.306,327.973 ; 445.306,327.973 447.234,329.901 447.234,341.435 ; 446.034,-183.795 447.304,-182.525 447.453,-182.376 447.453,-178.229 ; 446.034,-183.795 446.034,-194.115 446.128,-194.209 ; 446.034,-176.81 447.453,-178.229 ; 446.034,-176.81 447.812,-176.81 449.336,-178.334 449.336,-182.017 447.304,-184.049 ; 446.152,329.177 446.152,340.353 ; 446.152,340.353 447.234,341.435 ; 447.304,-184.049 447.304,-182.906 448.574,-181.636 448.574,-179.35 447.453,-178.229 ; 447.59,225.611 447.59,230.219 ; 447.59,225.611 447.59,228.441 ; 447.59,228.441 460.066,240.918 460.933,241.785 460.933,252.546 ; 447.59,230.219 447.59,231.837 ; 447.59,230.219 449.105,231.735 ; 447.59,231.837 447.59,233.234 456.615,242.259 458.075,242.259 ; 448.614,259.404 457.25,259.404 458.012,258.642 ; 448.614,259.404 450.011,258.007 450.011,257.499 ; 449.105,231.735 459.757,242.386 ; 450.011,257.499 450.011,259.531 ; 450.011,259.531 450.011,260.928 ; 450.011,260.928 451.154,259.785 458.266,259.785 ; 457.186,250.324 458.075,251.213 ; 458.075,242.259 458.075,251.213 ; 458.075,242.259 458.647,242.831 458.647,251.784 ; 458.075,251.213 458.647,251.784 ; 458.266,259.785 460.933,257.118 460.933,252.546 ; 458.266,259.785 459.663,259.785 ; 458.647,251.784 459.663,252.8 ; 459.663,252.8 460.933,254.07 461.082,254.219 461.082,258.366 ; 459.663,252.8 459.663,242.48 459.757,242.386 ; 459.663,259.785 461.082,258.366 ; 459.663,259.785 461.441,259.785 462.965,258.261 462.965,254.578 460.933,252.546 ; 460.933,252.546 460.933,253.689 462.203,254.959 462.203,257.245 461.082,258.366 ; 461.973,-95.339 462.429,-95.795 465.581,-95.795 ; 465.573,-95.804 ccw(c464.451,-96.925) 464.451,-95.339 cw(c464.451,-96.925) 465.573,-95.804 ; 465.581,-95.795 468.121,-95.795 468.121,-93.255 466.862,-93.255 ; 474.863,-171.233 474.863,-169.698 ; 474.863,-171.233 522.268,-171.233 ; 475.601,341.256 476.057,340.8 479.21,340.8 ; 479.201,340.792 ccw(c478.08,339.67) 478.08,341.256 cw(c478.08,339.67) 479.201,340.792 ; 479.21,340.8 481.75,340.8 481.75,343.34 480.491,343.34 ; 488.492,265.362 488.492,266.897 ; 488.492,265.362 535.897,265.362 ; 522.268,-171.233 536.238,-171.233 ; 535.897,265.362 549.867,265.362
  Bottom Layer w2: 277.081,-223.787 277.081,-210.984 ; 290.71,212.809 290.71,225.611 ; 418.081,-223.787 418.081,-210.984 ; 431.71,212.809 431.71,225.611